# Altium PCB motordriver-v5.2.PcbDoc (part 6 of 7)
Units mil, origin at the board's own origin, x right, y up, seen from the top; angles counter-clockwise.
Board outline 4530.01 x 6141.73 mil, 6 copper layers (Top Copper, GND Layer 1, Signal Layer 1, Signal Layer 2, PWR Layer, Bottom Copper), stack 58.2 mil thick; 778 components, 542 nets, 2552 pads, 1095 vias.
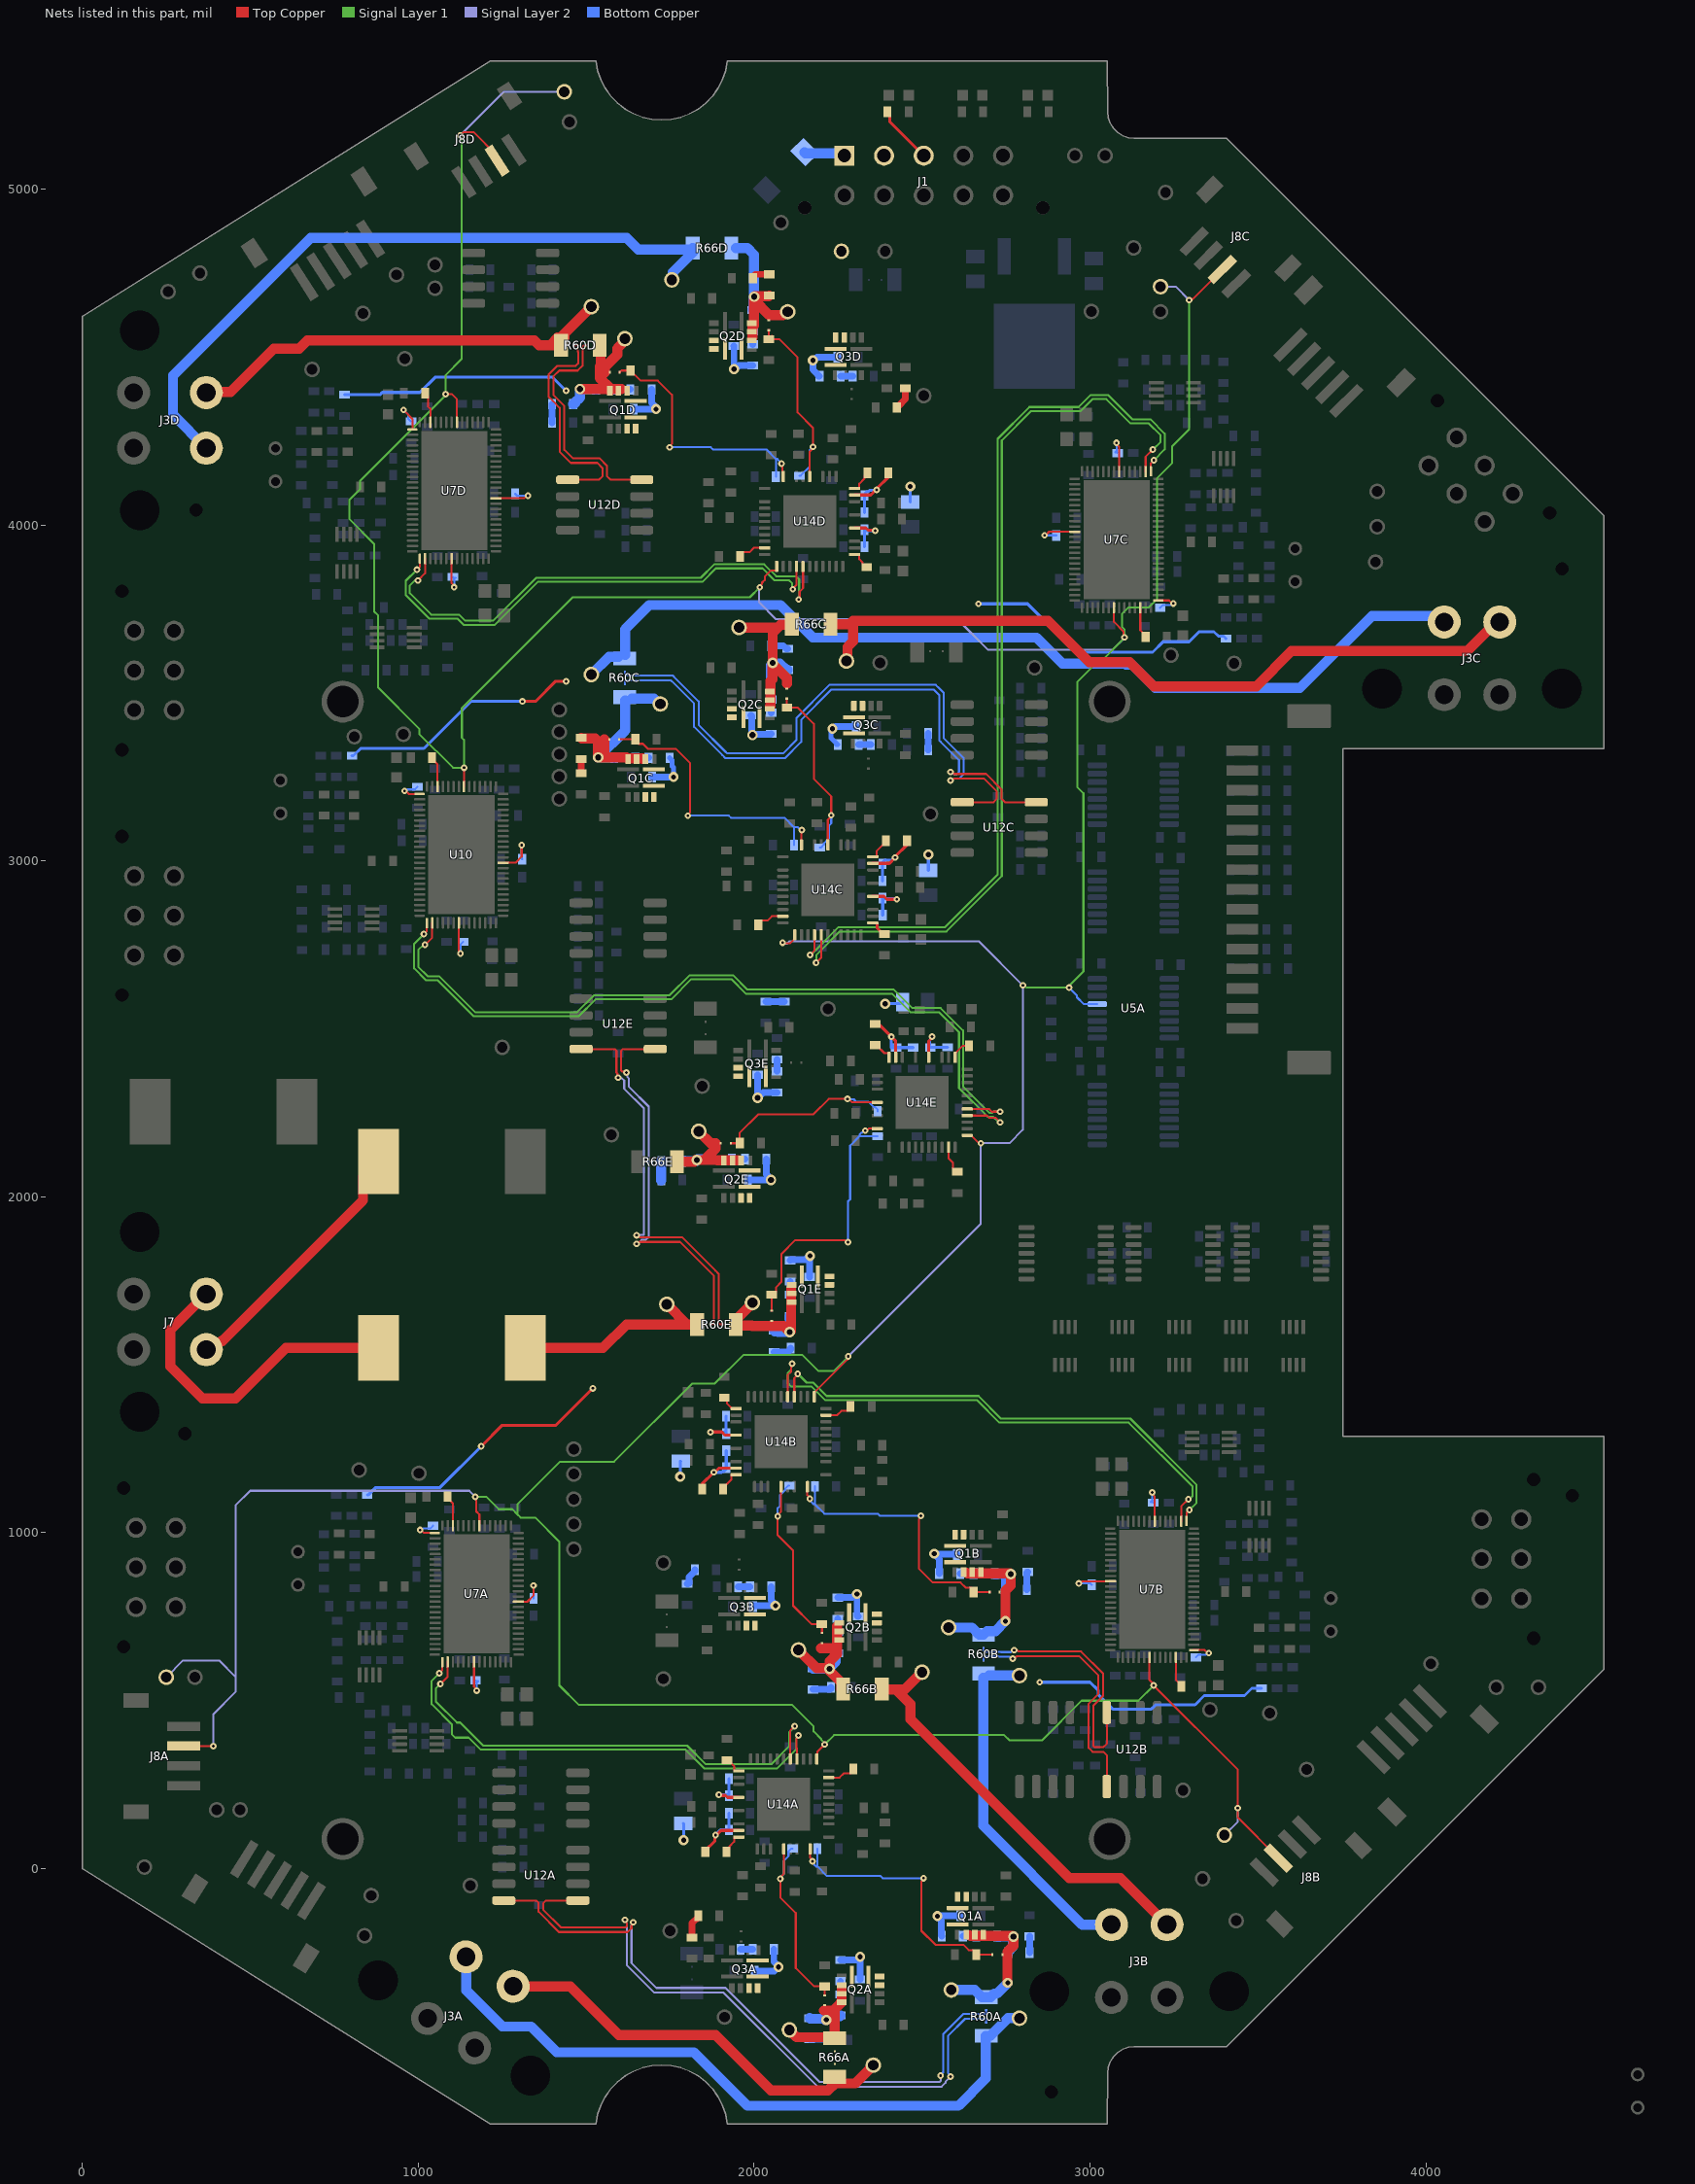
[diagram p10: the nets of this part, all layers, seen from the top]

## Via types
v1: diameter 19.68, hole 7.87, Top Copper to Bottom Copper, tented both sides, 751 vias
v2: diameter 19.68, hole 7.87, Top Copper to Bottom Copper, 276 vias
v3: diameter 30, hole 15, Top Copper to Bottom Copper, tented both sides, 54 vias
v4: diameter 31.5, hole 17.72, Top Copper to Bottom Copper, tented both sides, 14 vias

## Nets (pads, with @x,y where several pads share a name; then routed paths per layer and width w, separated by ;. In a path a pad name is that pad's centre, name@x,y a point inside that pad or via, vN(x,y) a via of type N, cw(c..) or ccw(c..) an arc to the next point about the centre after c; other vN are vias at no path point) (continued)
SCK_ISO: J8A.2 J8B.2 J8C.2 J8D.2 TP31A.1 TP31B.1 TP31C.1 TP31D.1 U5A.13 U7A.7 U7B.7 U7C.7 U7D.7 U10.7 U14A.11 U14B.11 U14C.11 U14D.11 U14E.11 | length 17341.3
  Top Copper w6: J8A.2@301.73,364.88 301.85,365 v1(390,365) ; v1(1081.71,4390) 1100,4390 1115.31,4374.69 1115.31,4327.2 1114.94,4326.83 U7D.7@1114.94,4305.95 ; v1(1125,5160) 1125.36,5160 1135.36,5170 1165,5170 1235,5100 J8D.2@1235,5085 ; U10.7@1136.38,3221.11 1136.38,3277.4 v1(1136.58,3277.59) ; 1172.74,1096.8 1172.74,1063.55 1181.94,1054.35 U7A.7@1181.94,1020.95 ; v1(2017.12,3814.92) 2017.12,3818.62 2023.44,3824.94 2023.44,3828.44 2031.46,3836.46 2031.46,3846.46 2050.1,3865.1 2064.49,3865.1 2066.91,3867.53 U14D.11@2066.91,3876.88 ; v1(2085.08,2756.75) 2087.54,2754.29 2106.92,2754.29 2121.02,2768.38 U14C.11@2121.02,2780.19 ; U14B.11@2178.61,1405 2178.61,1416.81 2277.19,1515.39 ; U14A.11@2186.48,326.26 2186.48,338.07 2188.9,340.49 2188.9,348.9 v1(2210,370) ; U14E.11@2634.18,2182.99 2645.99,2182.99 v1@2666.73,2162.25 ; U7C.7@3071.04,3753.9 3071.04,3711.41 3100.17,3682.28 3100.17,3668.48 v1(3102.79,3665.87) ; U7B.7@3177.04,629 3177.04,561.4 3189.4,549.03 v1(3189.4,545.33) 3440,294.73 3440,152.09 J8B.2@3560.82,31.26 ; v1(3295,4670) 3297.62,4672.62 3305.53,4672.62 J8C.2@3393.74,4760.82
  Signal Layer 1 w6: v1(1125,5160) 1127.62,5157.38 1127.62,5150.92 1128.89,5149.64 1128.89,4493.89 1081.71,4446.71 v1(1081.71,4390) 1081.71,4386.77 826.7,4131.76 826.7,4106.7 794.5,4074.5 794.5,4018.44 868.64,3944.3 868.64,3743.22 880.64,3731.22 880.64,3515.76 1002.96,3393.43 1002.96,3378.07 1103.45,3277.59 v1(1136.58,3277.59) 1136.58,3360.05 1130,3366.63 1130,3455 1460,3785 1987.2,3785 v1(2017.12,3814.92) ; v1(1169.67,1107.16) 1202.84,1107.16 1240,1070 1280,1070 1295,1055 ; v1(2280,1525) 2280,1523.7 2237.45,1481.16 2191.92,1481.16 2143.08,1530 1968.57,1530 1882.79,1444.23 1815.56,1444.23 1583.05,1211.72 1421.72,1211.72 1295,1085 1295,1055 ; v1(2800,2630) 2803.7,2630 2810.82,2622.88 v1@2932.09,2622.88 ; v1(2937.84,2622.88) v1@2932.09,2622.88 ; v1(3102.79,3665.87) v1@3102.79,3664.25 ; v1(3189.4,545.33) 3144.07,500 2975,500 2857.16,382.16 2760.15,382.16 2744.46,397.84 2237.84,397.84 v1(2210,370) 2210,373.7 2200.36,383.34 2200.36,385.08 2177,408.45 2177,423 2112,488 1477.46,488 1420,545.46 1420,973.56 1348.56,1045 1305,1045 1295,1055 ; v1(3295,4670) 3295,4285 3245,4235 3245,4185 3200,4140 3200,3780 3175,3755 3115,3755 3095,3735 3095,3696.85 3102.79,3689.06 v1@3102.79,3664.26 ; v1@2932.09,2622.88 2980.34,2671.13 2980.34,3201.36 2962.1,3219.6 2962.1,3533.06 3024.26,3595.22 3033.76,3595.22 v1@3102.79,3664.25
  Signal Layer 2 w6: TP31A.1@250,570 300,620 407.3,620 456.19,571.12 ; v1(390,365) 390,460 456.19,526.19 456.19,571.12 ; v1(1125,5160) 1255,5290 TP31D.1@1435,5290 ; v1(1169.67,1107.16) 1151.83,1125 500,1125 456.19,1081.19 456.19,571.12 ; v1(2017.12,3814.92) 2015,3812.8 2015,3770 2065,3720 2605,3720 2695.89,3629.11 3067.64,3629.11 3102.79,3664.25 v1(3102.79,3665.87) ; v1(2085.08,2756.75) 2087.7,2754.13 2097.9,2754.13 2105.03,2761.26 2668.74,2761.26 v1(2800,2630) 2800,2200 2760,2160 v1@2675,2160 ; v1(2280,1525) 2675,1920 v1(2674.98,2159.63) ; TP31C.1@3210,4710 3255,4710 v1(3295,4670) ; TP31B.1@3400,100 3440,140 v1(3440,180)
  Bottom Copper w6: v1(2937.84,2622.88) 2960.94,2599.79 2960.94,2594.21 2981.41,2573.74 U5A.13@3021.5,2573.74
SNUB1AA: C59A.2 R58A.2 | length 39.4
  Bottom Copper w20: R58A.2@2621.74,-200.55 C59A.2@2661.11,-200.55
SNUB1AB: C59B.2 R58B.2 | length 39.4
  Bottom Copper w20: R58B.2@2613.87,878.19 C59B.2@2653.24,878.19
SNUB1AC: C59C.2 R58C.2 | length 39.4
  Bottom Copper w20: C59C.2@1646.39,3307.01 R58C.2@1685.76,3307.01
SNUB1AD: C59D.2 R58D.2 | length 39.4
  Bottom Copper w20: C59D.2@1592.28,4403.69 R58D.2@1631.65,4403.69
SNUB1AE: C59E.2 R58E.2 | length 39.4
  Bottom Copper w20: C59E.2@2107.37,1708.36 R58E.2@2107.37,1747.73
SNUB1BA: C80A.2 R79A.1 | length 48.5
  Bottom Copper w20: C80A.2@2820,-250 R79A.1@2820,-201.5
SNUB1BB: C80B.2 R79B.1 | length 55.9
  Bottom Copper w20: C80B.2@2811.5,830 2811.5,881.69 2813.31,883.5 R79B.1@2815,883.5
SNUB1BC: C80C.2 R79C.1 | length 42
  Top Copper w20: R79C.1@1485,3261.5 C80C.2@1485,3303.5
SNUB1BD: C80D.2 R79D.1 | length 55
  Bottom Copper w20: R79D.1@1398.5,4305 C80D.2@1398.5,4360
SNUB1BE: C80E.2 R79E.1 | length 55.6
  Bottom Copper w20: C80E.2@2060,1538.5 2100.94,1538.5 2108.5,1546.06 R79E.1@2108.5,1550
SNUB2AA: C64A.2 R65A.2 | length 39.4
  Bottom Copper w20: C64A.2@2256.98,-374.17 R65A.2@2256.98,-334.8
SNUB2AB: C64B.2 R65B.2 | length 39.4
  Bottom Copper w20: C64B.2@2249.1,704.57 R65B.2@2249.1,743.94
SNUB2AC: C64C.2 R65C.2 | length 39.4
  Bottom Copper w20: R65C.2@2050.52,3441.26 C64C.2@2050.52,3480.63
SNUB2AD: C64D.2 R65D.2 | length 39.4
  Bottom Copper w20: R65D.2@1996.41,4537.94 C64D.2@1996.41,4577.31
SNUB2AE: C64E.2 R65E.2 | length 39.4
  Bottom Copper w20: C64E.2@1933.75,2112.49 R65E.2@1973.12,2112.49
SNUB2BA: C81A.2 R80A.1 | length 53
  Bottom Copper w20: C81A.2@2165,-507.99 2215.2,-507.99 2217.01,-509.8 R80A.1@2217.01,-510
SNUB2BB: C81B.2 R80B.1 | length 58.5
  Bottom Copper w20: C81B.2@2175,533.5 2225.94,533.5 2228.5,536.06 R80B.1@2228.5,540
SNUB2BC: C81C.2 R80C.1 | length 52
  Bottom Copper w20: R80C.1@2051.5,3640 2087.56,3640 2096.06,3631.5 C81C.2@2100,3631.5
SNUB2BD: C81D.2 R80D.1 | length 55.6
  Top Copper w20: R80D.1@1996.5,4735 1996.5,4738.94 2004.06,4746.5 C81D.2@2045,4746.5
SNUB2BE: C81E.2 R80E.1 | length 55
  Bottom Copper w30: R80E.1@1723.5,2050 C81E.2@1723.5,2105
SNUB3AA: C69A.2 R72A.2 | length 35.8
  Bottom Copper w20: C69A.2@1959.98,-239.93 R72A.2@1995.75,-239.93
SNUB3AB: C69B.2 R72B.2 | length 35.8
  Bottom Copper w20: C69B.2@1952.11,838.81 R72B.2@1987.88,838.82
SNUB3AC: C69C.2 R72C.2 | length 35.8
  Bottom Copper w20: R72C.2@2311.74,3346.38 C69C.2@2347.52,3346.39
SNUB3AD: C69D.2 R72D.2 | length 35.8
  Bottom Copper w20: R72D.2@2257.64,4443.06 C69D.2@2293.41,4443.07
SNUB3AE: C69E.2 R72E.2 | length 35.8
  Bottom Copper w20: R72E.2@2068,2373.71 C69E.2@2068,2409.48
SNUB3BA: C82A.2 R81A.1 | length 72.7
  Top Copper w20: R81A.1@1815,-205 1815,-162.44 1833.5,-143.94 C82A.2@1833.5,-140
SNUB3BB: C82B.2 R81B.1 | length 54
  Bottom Copper w20: R81B.1@1800,847.99 1803.94,847.99 1805.75,849.8 1805.75,868.31 1823.5,886.06 C82B.2@1823.5,890
SNUB3BC: C82C.2 R81C.1 | length 50
  Bottom Copper w20: C82C.2@2517.99,3330 R81C.1@2517.99,3380
SNUB3BD: C82D.2 R81D.1 | length 69.7
  Top Copper w20: C82D.2@2425,4350 2425,4353.94 2426.81,4355.75 2430.75,4355.75 2450,4375 R81D.1@2450,4407.01
SNUB3BE: C82E.2 R81E.1 | length 55
  Bottom Copper w20: R81E.1@2035,2581.5 C82E.2@2090,2581.5
SPEA: R38A.1 U14A.22 | length 55.8
  Top Copper w6: R38A.1@1918.79,323.04 1922.73,323.04 1941.02,304.75 1941.02,292.75 1942.94,290.83 U14A.22@1954.2,290.83
SPEB: R38B.1 U14B.22 | length 53.5
  Top Copper w6: R38B.1@1911.32,1401.63 1919.74,1393.2 1919.74,1384.33 1934.51,1369.57 U14B.22@1946.32,1369.57
SPEC: R38C.1 U14C.22 | length 56.7
  Top Copper w8: U14C.22@2353.3,2815.63 2365.11,2815.63 2366.03,2814.71 2366.03,2800.58 2384.05,2782.56 R38C.1@2387.99,2782.56
SPED: R38D.1 U14D.22 | length 61.4
  Top Copper w6: U14D.22@2299.19,3912.31 2311.01,3912.31 2312.93,3910.39 2312.93,3898.58 2322.28,3889.23 2322.28,3883.74 2331.09,3874.93 R38D.1@2335.02,3874.93
SPEE: R38E.1 U14E.22 | length 62.6
  Top Copper w6: U14E.22@2598.75,2415.27 2598.75,2427.08 2621.66,2450 R38E.1@2640,2450
STATUSA: R25A.2 U7A.12 | length 93.2
  Top Copper w6: R25A.2@1087.38,1107.6 1087.38,1103.67 1103.2,1087.84 U7A.12@1103.2,1020.95
STATUSB: R25B.2 U7B.12 | length 93.2
  Top Copper w6: U7B.12@3255.78,629 3255.78,562.11 3271.6,546.29 R25B.2@3271.6,542.35
STATUSC: R25C.2 U7C.12 | length 93.2
  Top Copper w6: U7C.12@3149.78,3753.9 3149.78,3687 3165.6,3671.18 R25C.2@3165.6,3667.24
STATUSD: R25D.2 U7D.12 | length 93.2
  Top Copper w6: R25D.2@1020.38,4392.6 1029.19,4383.79 1029.19,4353.28 1036.2,4346.26 U7D.12@1036.2,4305.95
STATUSE: R46.2 U10.12 | length 93.2
  Top Copper w6: R46.2@1041.19,3307.76 1041.19,3303.82 1057.01,3288 U10.12@1057.01,3221.11
TESTA: R24A.1 U14A.9 | length 86.1
  Top Copper w6: U14A.9@2221.91,271.14 2254.57,271.14 2267.25,283.82 2285.68,283.82 2294.99,293.13 R24A.1@2294.99,297.07
TESTB: R24B.1 U14B.9 | length 86.1
  Top Copper w6: U14B.9@2214.04,1349.88 2246.7,1349.88 2259.38,1362.56 2277.81,1362.56 2287.12,1371.87 R24B.1@2287.12,1375.81
TESTC: R24C.1 U14C.9 | length 86.1
  Top Copper w6: R24C.1@2012.51,2809.39 2012.51,2813.32 2021.82,2822.63 2040.25,2822.63 2052.93,2835.31 U14C.9@2085.59,2835.31
TESTD: R24D.1 U14D.9 | length 86.1
  Top Copper w6: R24D.1@1958.4,3906.07 1958.4,3910.01 1967.71,3919.32 1986.14,3919.32 1998.82,3931.99 U14D.9@2031.48,3931.99
TESTE: R24E.1 U14E.9 | length 86.1
  Top Copper w6: U14E.9@2579.06,2147.56 2579.06,2114.9 2591.74,2102.22 2591.74,2083.79 2601.05,2074.48 R24E.1@2604.99,2074.48
U_FBKA: C62A.2 NT1A.2 R57A.1 U14A.36 | length 849.1
  Top Copper w6: U14A.36@2166.8,58.54 2166.39,58.14 2166.39,33.47 2173.93,25.93 v1(2173.93,21.95) ; v1(2504.62,-28.43) 2504.62,-32.07 2497.99,-38.7 2497.99,-184.93 2539.78,-226.72 2622.78,-226.72 2638.48,-242.42 2651.8,-242.42 2661.11,-251.73 R57A.1@2661.11,-255.67 NT1A.2@2708.99,-255.67
  Bottom Copper w6: v1(2173.93,21.95) 2173.93,17.98 2180.17,11.74 2180.17,10.74 2184.53,6.39 2188.67,6.39 ; C62A.2@2188.67,59.29 2188.67,6.39 ; v1(2504.62,-28.43) 2382.75,-28.43 2376.26,-21.93 2216.99,-21.93 2188.67,6.39
U_FBKB: C62B.2 NT1B.2 R57B.1 U14B.36 | length 849.1
  Top Copper w6: U14B.36@2158.92,1137.28 2158.52,1136.88 2158.52,1112 2165.62,1104.89 v1(2165.62,1100.92) ; v1(2496.74,1050.31) 2496.74,1046.67 2490.12,1040.04 2490.12,893.81 2531.9,852.02 2614.9,852.02 2630.61,836.32 2643.93,836.32 2653.24,827.01 R57B.1@2653.24,823.07 NT1B.2@2701.12,823.07
  Bottom Copper w6: v1(2165.62,1100.92) 2165.62,1096.94 2171.97,1090.6 2171.97,1089.81 2176.65,1085.13 2180.8,1085.13 ; C62B.2@2180.8,1138.03 2180.8,1085.13 ; v1(2496.74,1050.31) 2374.88,1050.31 2368.38,1056.81 2209.12,1056.81 2180.8,1085.13
U_FBKC: C62C.2 NT1C.2 R57C.1 U14C.36 | length 856.8
  Top Copper w6: NT1C.2@1598.51,3362.12 R57C.1@1646.39,3362.12 1646.39,3358.19 1655.7,3348.88 1669.02,3348.88 1684.72,3333.17 1767.72,3333.17 1809.51,3291.39 1809.51,3145.15 1802.88,3138.52 v1(1802.88,3134.88) ; U14C.36@2140.7,3047.91 2141.11,3048.31 2141.11,3075.33 2140.4,3076.03 2140.4,3090.81 v1(2141.83,3092.24)
  Bottom Copper w6: v1(1802.88,3134.88) 1924.75,3134.88 1931.24,3128.39 2090.51,3128.39 2118.83,3100.06 ; C62C.2@2118.83,3047.16 2118.83,3100.06 ; v1(2141.83,3092.24) 2138.13,3092.24 2130.31,3100.06 2118.83,3100.06
U_FBKD: C62D.2 NT1D.2 R57D.1 U14D.36 | length 793.4
  Top Copper w6: NT1D.2@1600,4455 1605,4460 R57D.1@1632.01,4460 1662.01,4430 1713.47,4430 1755.4,4388.07 1755.4,4241.83 1748.77,4235.21 v1(1748.77,4231.56) ; v1(2081.66,4182.65) 2084.17,4180.13 2084.17,4147.01 U14D.36@2086.6,4144.59
  Bottom Copper w6: v1(1748.77,4231.56) 1870.64,4231.56 1877.14,4225.07 2036.4,4225.07 2064.72,4196.75 ; C62D.2@2064.72,4143.84 2064.72,4196.75 ; v1(2081.66,4182.65) 2081.66,4183.95 2068.86,4196.75 2064.72,4196.75
U_FBKE: C62E.2 NT1E.2 R57E.1 U14E.36 | length 849.5
  Top Copper w6: NT1E.2@2052.25,1660.48 R57E.1@2052.25,1708.36 2056.19,1708.36 2065.5,1717.67 2065.5,1730.99 2081.2,1746.69 2081.2,1829.69 2122.99,1871.48 2269.22,1871.48 2275.85,1864.85 v1(2279.5,1864.85) ; v1(2331.04,2196.88) 2335.01,2196.88 2341.21,2203.08 2366.06,2203.08 U14E.36@2366.47,2202.67
  Bottom Copper w6: v1(2279.5,1864.85) 2279.5,1986.72 2285.99,1993.21 2285.99,2152.48 2314.31,2180.8 ; v1(2331.04,2196.88) 2327.07,2196.88 2320.99,2190.8 2319.57,2190.8 2314.31,2185.55 2314.31,2180.8 ; C62E.2@2367.21,2180.8 2314.31,2180.8
U_L1: J7.1 L1.1 | length 981.2
  Top Copper w30: J7.1@368.99,1710.42 262,1603.43 262,1495 357,1400 456,1400 606.07,1550.07 L1.1@881.99,1550.07
U_SENSEA_N: R60A.S1 U12A.1 | length 1941.6
  Top Copper w6: U12A.1@1475.24,-95 1380,-95 1372,-103 1372,-122.33 1424.39,-174.72 1617.41,-174.72 1620.92,-171.21 1620.92,-161.51 1615.48,-156.07 v1(1615.48,-152.36)
  Signal Layer 2 w6: 1620.92,-161.51 1620.92,-286.72 1703.2,-369 1909.2,-369 2189.2,-649 2557.91,-649 2569.73,-637.18 2569.73,-634.19 v1(2584.99,-618.93)
  Bottom Copper w6: v1(2584.99,-618.93) 2584.99,-616.52 2577.04,-608.57 2577.04,-497.96 2628.07,-446.93 2687.48,-446.93 2690.99,-450.45 R60A.S1@2690.99,-458.68
U_SENSEA_P: R60A.S2 U12A.8 | length 1944.1
  Top Copper w6: U12A.8@1254.76,-95 1350.82,-95 1358,-102.18 1358,-128.13 1418.59,-188.72 1623.2,-188.72 1634.92,-177.01 1634.92,-168.78 1640,-163.7 v1(1640,-160)
  Signal Layer 2 w6: 1634.92,-168.78 1634.92,-280.92 1709,-355 1915,-355 2195,-635 2552.11,-635 2555.63,-631.49 2555.63,-616.84 v1(2555.09,-616.3)
  Bottom Copper w6: v1(2555.09,-616.3) 2555.09,-613.9 2563.04,-605.95 2563.04,-492.16 2622.27,-432.93 2687.48,-432.93 2690.99,-429.42 R60A.S2@2690.99,-421.18
U_SENSEB_N: R60B.S1 U12B.1 | length 753.1
  Top Copper w6: 2779.38,631.51 2781.91,631.51 2783.03,632.63 2967.37,632.63 3025,575 3025,519.8 2996,490.8 2996,359.48 3007.72,347.76 3040,347.76 3050,337.76 U12B.1@3050,244.53
  Bottom Copper w6: R60B.S1@2683.12,620.06 2683.12,628.29 2686.63,631.81 2728.22,631.81 2729.35,630.68 2760.62,630.68 2766.3,625 v1(2770,625)
U_SENSEB_P: R60B.S2 U12B.8 | length 753.9
  Top Copper w6: v1@2783.49,649.68 2786.53,646.63 2973.17,646.63 3039,580.8 3039,514 3010,485 3010,365.28 3013.51,361.76 3040,361.76 3050,371.76 U12B.8@3050,465
  Bottom Copper w6: R60B.S2@2683.12,657.56 2683.12,649.32 2686.63,645.81 2734.02,645.81 2735.15,644.68 2764.73,644.68 2770.4,650.35 v1(2774.11,650.35)
U_SENSEC_N: R60C.S1 U12C.1 | length 1815.7
  Top Copper w6: 2594.55,3245.16 2684.84,3245.16 2722.76,3207.24 2722.76,3185 2712.76,3175 U12C.1@2619.53,3175
  Bottom Copper w6: R60C.S1@1615,3563.75 1615,3555.51 1618.51,3552 1629.33,3552 1629.5,3552.17 1757.63,3552.17 1760.8,3549 1835,3474.8 1835,3405 1915,3325 1920,3320 2086,3320 2126,3360 2126,3425.8 2224.25,3524.05 2540.95,3524.05 2550,3515 2564.9,3500.1 2564.9,3364.9 2624,3305.8 2624,3259.52 2609.64,3245.16 2594.55,3245.16 2588.7,3239.32 v1(2585,3239.32)
U_SENSEC_P: R60C.S2 U12C.8 | length 1792.5
  Top Copper w6: 2594.55,3259.16 2690.64,3259.16 2736.76,3213.04 2736.76,3185 2746.76,3175 U12C.8@2840,3175
  Bottom Copper w6: R60C.S2@1615,3526.25 1615,3534.49 1618.51,3538 1635.13,3538 1635.3,3538.17 1751.83,3538.17 1755,3535 1821,3469 1821,3399.2 1905.1,3315.1 1914.2,3306 2091.8,3306 2140,3354.2 2140,3420 2230.05,3510.05 2535.15,3510.05 2550.9,3494.3 2550.9,3359.1 2555,3355 2610,3300 2610,3265.32 2603.84,3259.16 2594.55,3259.16 2588.7,3265 v1(2585,3265)
U_SENSED_N: R60D.S1 U12D.1 | length 688.2
  Top Copper w6: U12D.1@1445,4135 1538.24,4135 1548.24,4145 1548.24,4170 1533.24,4185 1454.2,4185 1421,4218.2 1421,4349 1400,4370 1388.37,4381.63 1388.37,4448.17 1414.2,4474 1469,4474 1476,4481 1476,4515 1475.52,4515.48 1475.52,4531.49 1472,4535 R60D.S1@1463.77,4535
U_SENSED_P: R60D.S2 U12D.8 | length 688.2
  Top Copper w6: R60D.S2@1501.27,4535 1493.03,4535 1489.52,4531.49 1489.52,4521.28 1490,4520.8 1490,4475.2 1485.9,4471.1 1474.8,4460 1420,4460 1402.37,4442.37 1402.37,4387.43 1435,4354.8 1435,4224 1460,4199 1539.04,4199 1562.24,4175.8 1562.24,4145 1572.24,4135 U12D.8@1665.47,4135
U_SENSEE_N: R60E.S1 U12E.1 | length 1171.2
  Top Copper w6: v1(1620,2370) 1617.47,2372.53 1607.88,2372.53 1604.1,2376.31 1604.1,2435 1609.1,2440 U12E.1@1705.47,2440 ; v1(1650,1860) 1653.7,1860 1659.55,1865.84 1779.16,1865.84 1880.48,1764.52 1880.48,1623.51 1876.97,1620 R60E.S1@1868.73,1620
  Signal Layer 2 w6: v1(1620,2370) 1622.02,2367.98 1622.02,2357.37 1627.12,2352.27 1627.12,2334.88 1627.12,2327.88 1686.36,2268.64 1686.36,1881.07 1677.13,1871.85 1664.8,1871.85 1652.96,1860 v1(1650,1860)
U_SENSEE_P: R60E.S2 U12E.8 | length 1170.1
  Top Copper w6: U12E.8@1485,2440 1585.1,2440 1590.1,2435 1590.1,2370.51 1592.98,2367.63 1592.98,2357.02 v1(1595,2355) ; v1(1650,1885.68) 1653.7,1885.68 1659.55,1879.84 1784.96,1879.84 1884.9,1779.9 1894.48,1770.32 1894.48,1623.51 1898,1620 R60E.S2@1906.23,1620
  Signal Layer 2 w6: v1(1595,2355) 1597.53,2352.47 1607.12,2352.47 1613.12,2346.47 1613.12,2341.5 1613.12,2322.08 1672.36,2262.84 1672.36,1886.87 1651.19,1886.87 v1(1650,1885.68)
U_SWA: C59A.1 C80A.1 NT1A.1 Q1A.8 R60A.2 TP14A.1 | length 576.4
  Top Copper w28: 2640.99,-196.93 2643.99,-199.93
  Top Copper w30: 2643.99,-199.93 2682.76,-199.93 2682.96,-199.73 2769.79,-199.73 v4(2771.99,-201.93) 2771.7,-202.22 2771.7,-229.46 2754.01,-247.15 2754.01,-339.01 v3(2755,-340)
  Bottom Copper w30: TP14A.1@2586.99,-360.93 2656.28,-360.93 2677.8,-382.45 2704.18,-382.45 2714.85,-371.78 2723.22,-371.78 v3(2755,-340) ; C59A.1@2724.1,-200.55 2724.79,-201.24 2771.3,-201.24 v4(2771.99,-201.93) 2769.79,-204.13 2769.79,-233.28 2757.01,-246.06 C80A.1@2757.01,-250
U_SWB: C59B.1 C80B.1 NT1B.1 Q1B.8 R60B.2 TP14B.1 | length 576.3
  Top Copper w28: 2633.12,881.81 2636.12,878.81
  Top Copper w30: 2636.12,878.81 2674.89,878.81 2675.09,879.01 2761.92,879.01 v4(2764.12,876.81) 2764.12,842.88 2748.12,826.88 v3(2748.12,736.81)
  Bottom Copper w30: TP14B.1@2579.12,717.81 2648.41,717.81 2669.93,696.29 R60B.2@2683.12,696.29 2693.79,706.96 2718.27,706.96 v3(2748.12,736.81) ; C59B.1@2716.23,878.19 2716.92,877.5 2763.43,877.5 v4(2764.12,876.81) 2764.12,873.7 2750.31,859.9 2750.31,831.81 C80B.1@2748.5,830
U_SWC: C59C.1 C80C.1 NT1C.1 Q1C.8 R60C.2 TP14C.1 | length 634.1
  Top Copper w28: Q1C.8@1624.73,3303.07 Q1C.8@1626.67,3305